# Altium PCB CRD25DA12N-FMC V2 (09-2024).PcbDoc (part 5 of 6)
Units mil, origin at the board's own origin, x right, y up, seen from the top; angles counter-clockwise.
Board outline 8000 x 8000 mil, 6 copper layers (Top Layer, Layer 2, Layer 3, Layer 4, Layer 5, Bottom Layer), stack 91 mil thick; 602 components, 333 nets, 1670 pads, 639 vias.
Unrouted connection lines stored in the file: 1.
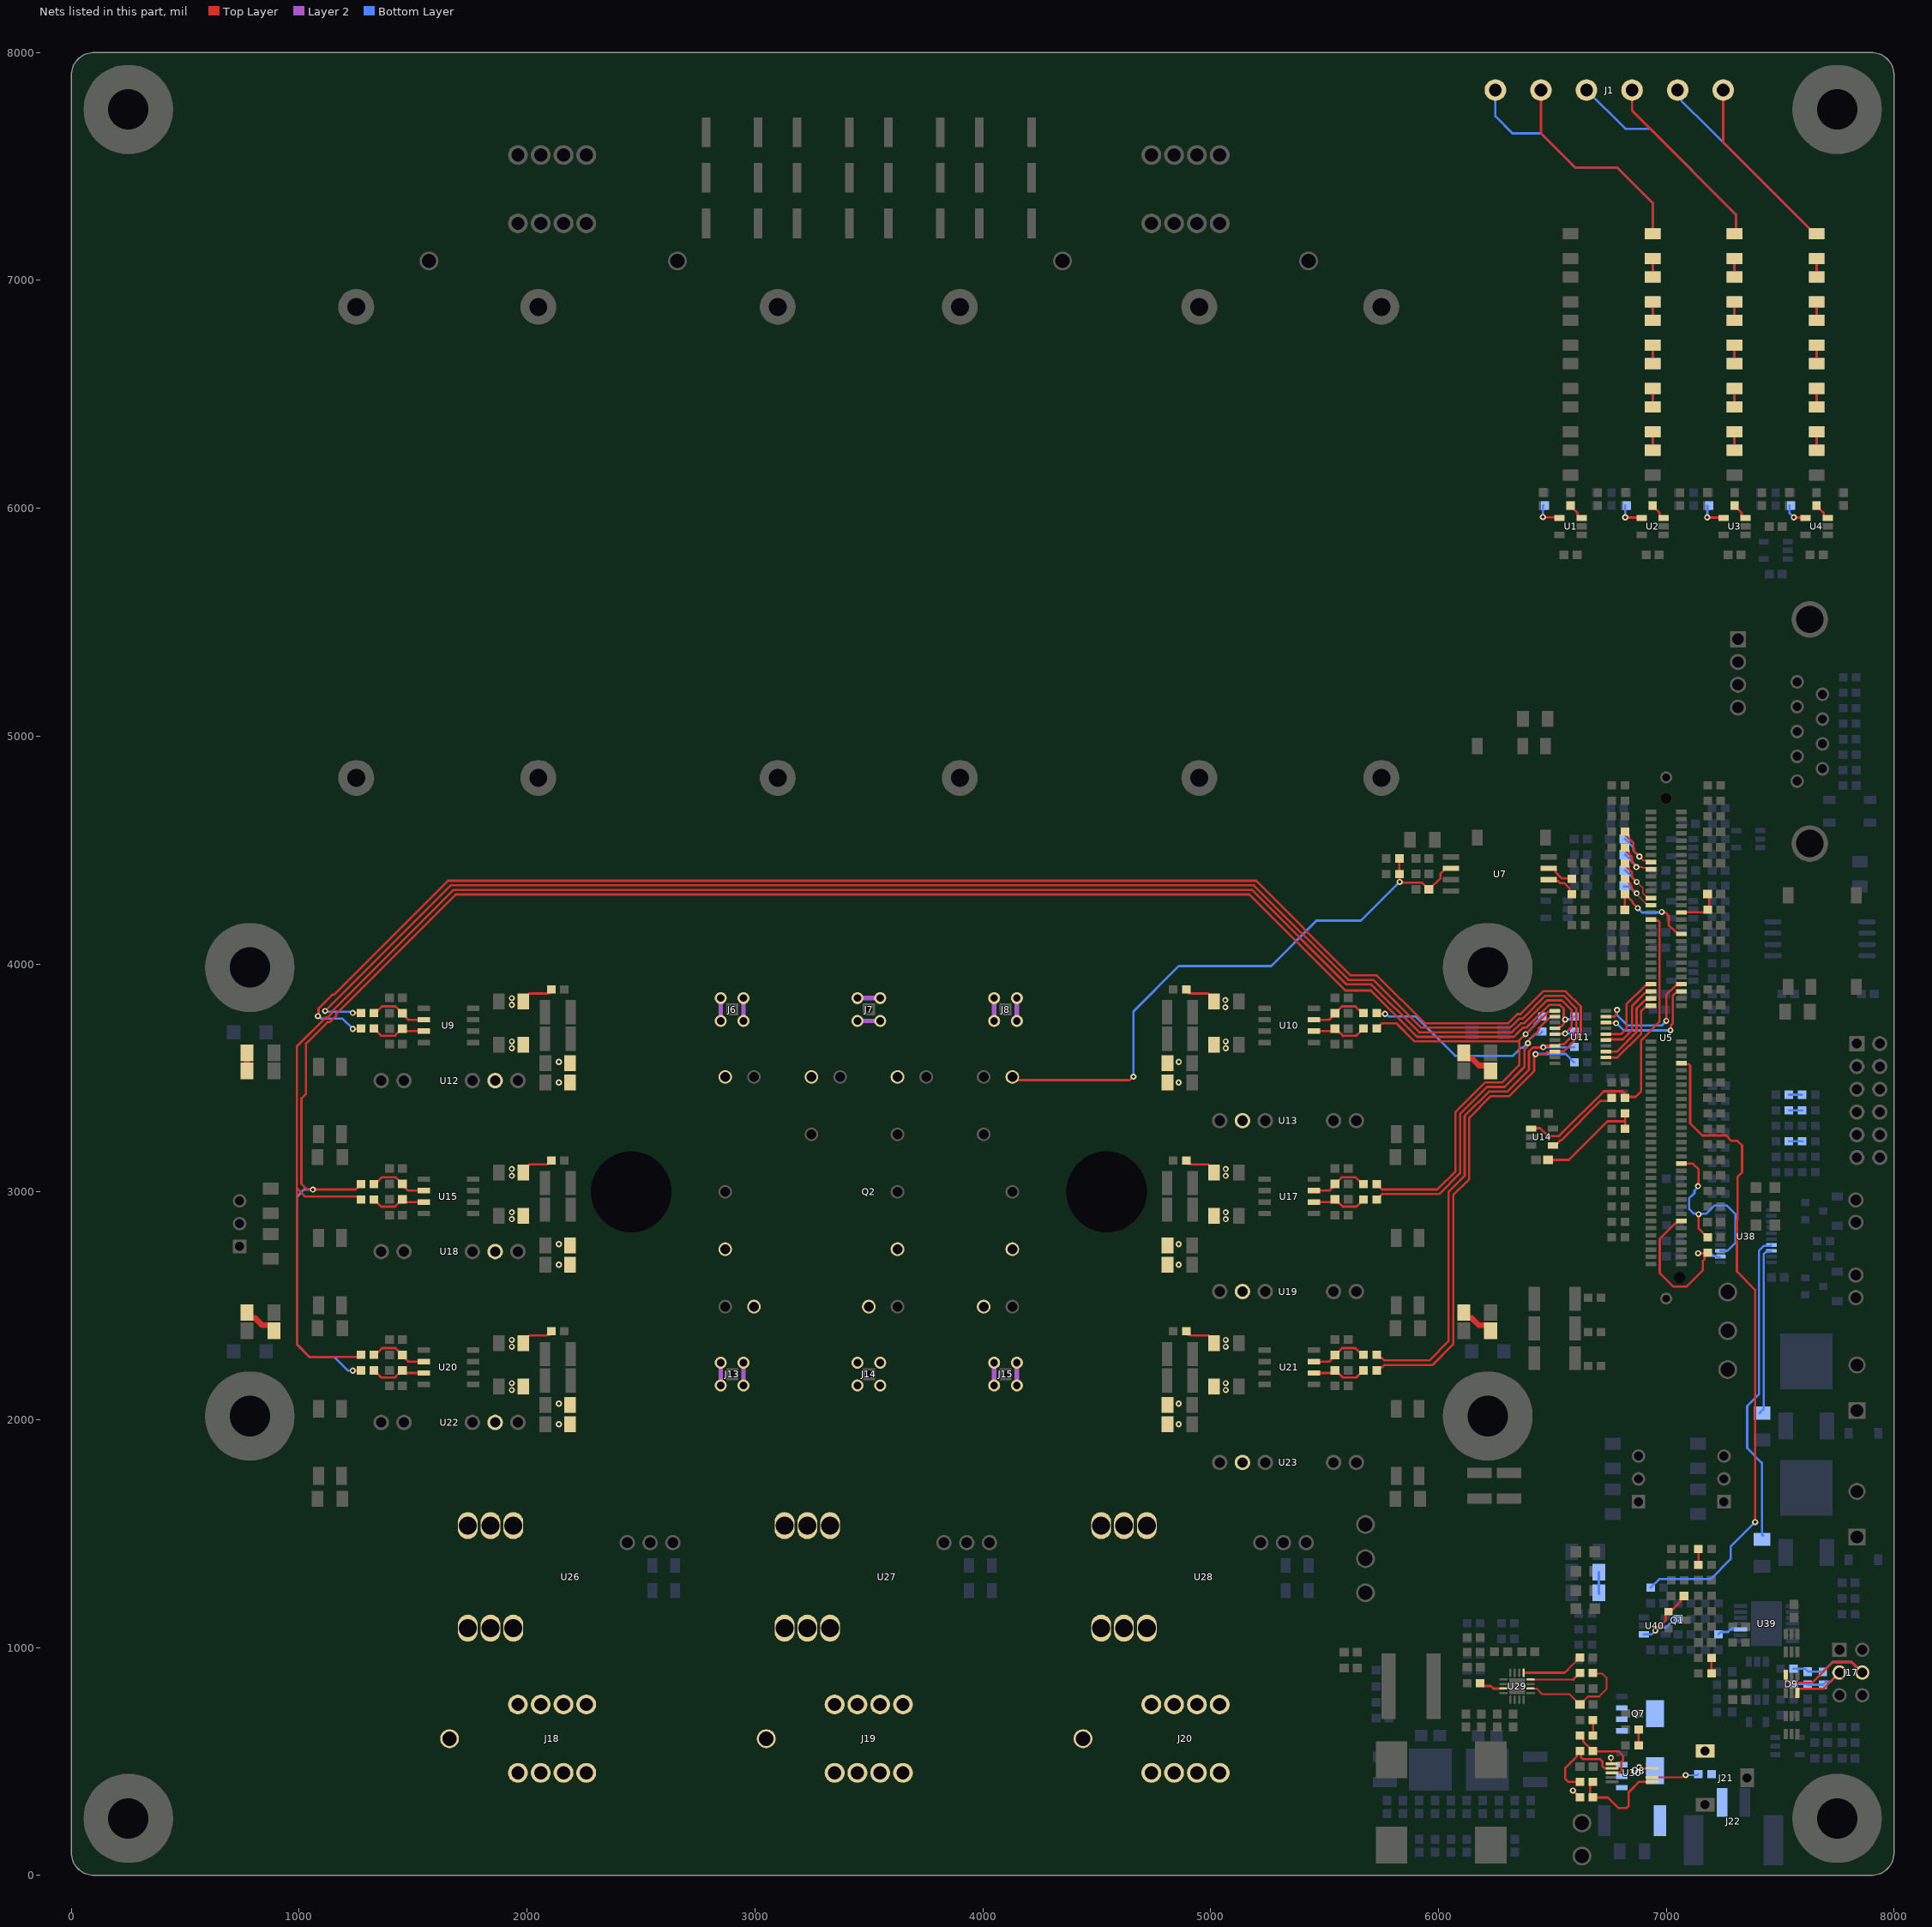
[diagram p9: the nets of this part, all layers, seen from the top]

## Via types
v1: diameter 27, hole 13, Top Layer to Bottom Layer, tented both sides, 543 vias
v2: diameter 50, hole 28, Top Layer to Bottom Layer, tented both sides, 76 vias
v3: diameter 19.68, hole 7.87, Top Layer to Bottom Layer, tented top, 15 vias
v4: diameter 19.68, hole 7.87, Top Layer to Bottom Layer, tented both sides, 5 vias

## Nets (pads, with @x,y where several pads share a name; then routed paths per layer and width w, separated by ;. In a path a pad name is that pad's centre, name@x,y a point inside that pad or via, vN(x,y) a via of type N, cw(c..) or ccw(c..) an arc to the next point about the centre after c; other vN are vias at no path point) (continued)
NetR14_2: R14.2 R18.1 | length 79.8
  Top Layer w10: R18.1@6940,7015.12 R14.2@6940,7094.88
NetR15_2: R15.2 R19.1 | length 79.8
  Top Layer w10: R19.1@7300,7015.12 R15.2@7300,7094.88
NetR16_2: R16.2 R20.1 | length 79.8
  Top Layer w10: R20.1@7660,7015.12 R16.2@7660,7094.88
NetR18_2: R18.2 R22.1 | length 79.8
  Top Layer w10: R22.1@6940,6825.12 R18.2@6940,6904.88
NetR19_2: R19.2 R23.1 | length 79.8
  Top Layer w10: R23.1@7300,6825.12 R19.2@7300,6904.88
NetR20_2: R20.2 R24.1 | length 79.8
  Top Layer w10: R24.1@7660,6825.12 R20.2@7660,6904.88
NetR22_2: R22.2 R26.1 | length 79.8
  Top Layer w10: R26.1@6940,6635.12 R22.2@6940,6714.88
NetR23_2: R23.2 R27.1 | length 79.8
  Top Layer w10: R27.1@7300,6635.12 R23.2@7300,6714.88
NetR24_2: R24.2 R28.1 | length 79.8
  Top Layer w10: R28.1@7660,6635.12 R24.2@7660,6714.88
NetR26_2: R26.2 R30.1 | length 79.8
  Top Layer w10: R30.1@6940,6445.12 R26.2@6940,6524.88
NetR27_2: R27.2 R31.1 | length 79.8
  Top Layer w10: R31.1@7300,6445.12 R27.2@7300,6524.88
NetR28_2: R28.2 R32.1 | length 79.8
  Top Layer w10: R32.1@7660,6445.12 R28.2@7660,6524.88
NetR30_2: R30.2 R34.1 | length 79.8
  Top Layer w10: R34.1@6940,6255.12 R30.2@6940,6334.88
NetR31_2: R31.2 R35.1 | length 79.8
  Top Layer w10: R35.1@7300,6255.12 R31.2@7300,6334.88
NetR32_2: R32.2 R36.1 | length 79.8
  Top Layer w10: R36.1@7660,6255.12 R32.2@7660,6334.88
NetR37_2: R37.2 U1.3 | length 79.1
  Top Layer w10: R37.2@6580,6011.38 6580,6010.47 6610.59,5979.88 6610.59,5966.18 6619.37,5957.4 U1.3@6628.23,5957.4
NetR39_2: R39.2 U2.3 | length 84.1
  Top Layer w10: R39.2@6940,6011.38 6940,6010.47 6970.59,5979.88 6970.59,5961.18 6979.37,5952.4 U2.3@6988.23,5952.4
NetR41_2: R41.2 U3.3 | length 79.1
  Top Layer w10: R41.2@7300,6011.38 7300,6010.47 7330.59,5979.88 7330.59,5966.18 7339.37,5957.4 U3.3@7348.23,5957.4
NetR43_2: R43.2 U4.3 | length 79.1
  Top Layer w10: R43.2@7660,6011.38 7660,6010.47 7690.59,5979.88 7690.59,5966.18 7699.37,5957.4 U4.3@7708.23,5957.4
NetR56_2: R56.2 U7.7 | length 122.2
  Top Layer w10: U7.7@6484.57,4420 6508.19,4420 6515,4413.19 6515,4402.37 6542.37,4375 6580.38,4375 R56.2@6581.38,4374
NetR58_2: R58.2 U7.6 | length 137.2
  Top Layer w10: U7.6@6484.57,4370 6491.38,4363.19 6525.89,4363.19 6534.08,4355 6552.56,4355 6574.96,4332.61 6574.96,4317.42 R58.2@6586.38,4306
NetR77_1: R77.1 R80.2 | length 81.7
  Top Layer w25: R80.2@770.9,3530 770.9,3605.9 R77.1@775,3610
NetR78_1: R78.1 R81.2 | length 158.9
  Top Layer w25: R78.1@6110.9,3610 6110.9,3602.08 6127.05,3585.92 6146.37,3585.92 6178.22,3554.08 6212.95,3554.08 6225,3542.03 R81.2@6225,3530
NetR85_2: R85.2 U14.4 | length 335.2
  Top Layer w10: U14.4@6512.09,3204.6 6514.09,3204.6 6534.49,3225 6538.28,3225 6712.33,3399.04 6748.42,3399.04 R85.2@6761.38,3412
NetR86_1: R86.1 R88.1 R91.1 | length 477.1
  Top Layer w10: R91.1@6481.62,3140 6573.01,3140 6742.32,3309.31 6820,3309.31 ; R86.1@6818.62,3344 6820,3342.62 6820,3309.31 ; R88.1@6820,3276 6820,3309.31
NetR115_2: R115.2 R118.1 | length 163.1
  Top Layer w25: R115.2@770.9,2470 770.9,2462.08 787.05,2445.92 806.37,2445.92 838.22,2414.08 872.95,2414.08 895,2392.03 R118.1@895,2390
NetR116_1: R116.1 R119.2 | length 159.8
  Top Layer w25: R116.1@6110.9,2470 6110.9,2462.08 6127.05,2445.92 6146.37,2445.92 6178.22,2414.08 6215.92,2414.08 R119.2@6235,2395
NetR136_2: R136.2 R137.1 | length 69
  Top Layer w10: R137.1@7141.38,1363 R136.2@7141.38,1432
NetR145_2: R145.2 U29.5 | length 274.5
  Top Layer w8: 6569.74,905.26 6620.47,956 R145.2@6621.38,956
  Top Layer w10: U29.5@6374.53,889.23 6553.71,889.23 6569.74,905.26
NetR146_1: R146.1 R148.2 | length 68
  Top Layer w10: R148.2@7198.62,886 R146.1@7198.62,954
NetR147_1: R147.1 U29.4 | length 228.9
  Top Layer w8: U29.4@6404.23,859.53 6592,859.53
  Top Layer w10: 6592,859.53 6620.47,888 R147.1@6621.38,888
NetR149_2: R149.2 U29.11 | length 112.3
  Top Layer w10: R149.2@6183.62,844 6196.58,831.04 6229.48,831.04 6240.69,819.84 6264.04,819.84 6285.48,819.87 U29.11@6285.77,820.16
NetR150_2: R150.2 R152.1 | length 72.5
  Top Layer w10: R150.2@6675,685 6678.62,681.38 R152.1@6678.62,614
NetR151_2: R151.2 R153.1 | length 70
  Top Layer w10: R153.1@6878.62,570 R151.2@6878.62,640
NetR152_2: R152.2 R154.1 U30.3 | length 348.4
  Top Layer w8: U30.3@6761.17,449.69 6795,449.69
  Top Layer w10: R152.2@6621.38,614 6622.28,614 6635.24,601.04 6635.24,588.48 6677.72,546 R154.1@6678.62,546 6679.94,544.68 6769.2,544.68 6770.38,543.5 6791.81,543.5 6810,525.31 6810,505 6803.1,498.1 6803.1,458.1 6795,450 6795,449.69
NetR154_2: R154.2 R155.1 U30.2 | length 418.9
  Top Layer w8: 6730,469.69 U30.2@6762.91,469.69
  Top Layer w10: R155.1@6621.38,410 6570,410 6556.5,423.5 6556.5,471.5 6580,495 6607.52,522.52 6607.52,533.04 R154.2@6620.47,546 ; R154.2@6621.38,546 R154.2@6620.47,546 ; 6730,469.69 6720,479.69 6720,500 6710,510 6635,510 6626.1,518.9 6626.1,536.38 6626.1,540.38 R154.2@6620.47,546
NetR155_2: R155.2 R156.1 U30.6 | length 442.1
  Top Layer w10: R156.1@6678.62,342 6743,342 6790,295 6825.31,295 6835,304.69 6835,365 6880.63,410.63 U30.6@6937.09,410.63 ; R155.2@6678.62,410 6677.96,410 6665,397.04 6665,354.96 6677.96,342 R156.1@6679.53,342
NetR157_2: R157.2 R161.1 | length 79.8
  Bottom Layer w10: R161.1@7660,7015.12 R157.2@7660,7094.88
NetR158_2: R158.2 R162.1 | length 79.8
  Bottom Layer w10: R162.1@7300,7015.12 R158.2@7300,7094.88
NetR159_2: R159.2 R163.1 | length 79.8
  Bottom Layer w10: R163.1@6940,7015.12 R159.2@6940,7094.88
NetR161_2: R161.2 R165.1 | length 79.8
  Bottom Layer w10: R165.1@7660,6825.12 R161.2@7660,6904.88
NetR162_2: R162.2 R166.1 | length 79.8
  Bottom Layer w10: R166.1@7300,6825.12 R162.2@7300,6904.88
NetR163_2: R163.2 R167.1 | length 79.8
  Bottom Layer w10: R167.1@6940,6825.12 R163.2@6940,6904.88
NetR165_2: R165.2 R169.1 | length 79.8
  Bottom Layer w10: R169.1@7660,6635.12 R165.2@7660,6714.88
NetR166_2: R166.2 R170.1 | length 79.8
  Bottom Layer w10: R170.1@7300,6635.12 R166.2@7300,6714.88
NetR167_2: R167.2 R171.1 | length 79.8
  Bottom Layer w10: R171.1@6940,6635.12 R167.2@6940,6714.88
NetR169_2: R169.2 R173.1 | length 79.8
  Bottom Layer w10: R173.1@7660,6445.12 R169.2@7660,6524.88
NetR170_2: R170.2 R174.1 | length 79.8
  Bottom Layer w10: R174.1@7300,6445.12 R170.2@7300,6524.88
NetR171_2: R171.2 R175.1 | length 79.8
  Bottom Layer w10: R175.1@6940,6445.12 R171.2@6940,6524.88
NetR173_2: R173.2 R177.1 | length 79.8
  Bottom Layer w10: R177.1@7660,6255.12 R173.2@7660,6334.88
NetR174_2: R174.2 R178.1 | length 79.8
  Bottom Layer w10: R178.1@7300,6255.12 R174.2@7300,6334.88
NetR175_2: R175.2 R179.1 | length 79.8
  Bottom Layer w10: R179.1@6940,6255.12 R175.2@6940,6334.88
NetR182_2: R182.2 U4.4 | length 112.5
  Top Layer w10: v1(7560,5960) 7561.3,5958.7 7610.47,5958.7 U4.4@7611.77,5957.4
  Bottom Layer w10: R182.2@7540,6011.38 7540,5980 v1(7560,5960)
NetR185_2: R185.2 U3.4 | length 124.2
  Top Layer w10: v1(7180,5960) 7181.3,5958.7 7250.47,5958.7 U3.4@7251.77,5957.4
  Bottom Layer w10: v1(7180,5960) R185.2@7180,6011.38
NetR188_2: R188.2 U2.4 | length 124.2
  Top Layer w10: v1(6820,5960) 6821.3,5958.7 6890.47,5958.7 U2.4@6891.77,5957.4
  Bottom Layer w10: v1(6820,5960) R188.2@6820,6011.38
NetR191_2: R191.2 U1.4 | length 125.4
  Top Layer w10: v1(6458.58,5961.42) 6460.59,5959.41 6529.76,5959.41 U1.4@6531.77,5957.4
  Bottom Layer w10: v1(6458.58,5961.42) 6458.58,6009.96 R191.2@6460,6011.38
NetR221_2: R221.2 R222.1 | length 57.8
  Bottom Layer w10: R222.1@7538.62,3426 R221.2@7596.38,3426
NetR224_2: R224.2 R225.1 | length 57.8
  Bottom Layer w10: R225.1@7538.62,3358 R224.2@7596.38,3358
NetR230_2: R230.2 R231.1 | length 62.2
  Bottom Layer w8: R231.1@7538.62,3222 R230.2@7596.38,3222 7598,3222 R230.2@7600,3220
NetR246_1: R246.1 R248.2 | length 95.4
  Bottom Layer w10: R246.1@6704.1,1330 R248.2@6704.1,1240 6704.1,1235.9 R248.2@6705,1235
NetR257_1: R257.1 U39.3 | length 76.6
  Bottom Layer w10: R257.1@7228.62,1058 7238.6,1067.98 7271.26,1067.98 7286.55,1083.27 7294.76,1083.27
NetR275_1: R275.1 U30.7 | length 210.4
  Top Layer w8: U30.7@6937.09,430.32 7070.17,430.32 7079.86,440 v1(7085,440)
  Bottom Layer w8: v1(7085,440) 7136.38,440 R275.1@7141.38,445
NTC1: C18.1 Q2.NTC2 R53.1 R55.2 U7.2 | length 2627.4
  Top Layer w10: Q2.NTC2@4129.92,3503.94 4143.45,3503.94 4157.39,3490 4645.4,3490 4660.4,3505 v1(4661.5,3505) ; R53.1@5828.62,4463 R55.2@5828.62,4395 5830,4393.62 v1(5830,4360) 5833.14,4356.86 5927.76,4356.86 5957.63,4327 C18.1@5958.58,4327 5959.53,4327 6009,4376.47 6009,4397.19 6031.81,4420 U7.2@6055.43,4420
  Bottom Layer w10: v1(4661.5,3505) 4661.5,3791.5 4860.75,3990.75 5265.75,3990.75 5465,4190 5660,4190 v1(5830,4360)
NTC_ISO: C21.1 R59.2 U5.36 | length 414.7
  Top Layer w10: C21.1@6818.58,4240 R59.2@6818.62,4306 R59.2@6818.62,4306 6819.53,4306 6854.08,4271.45 6854.08,4265.92 v1(6875,4245) ; v1(6980.19,4228.29) 6984.79,4228.29 6988.08,4225 6997.19,4225 7011.1,4211.09 7011.1,4170 7038.75,4142.35 7042.5,4142.35 7053.15,4131.69 U5.36@7066.93,4131.69
  Bottom Layer w10: v1(6875,4245) 6893.91,4226.09 v1@6980.19,4226.09
RELAY1: R244.1 U38.17 | length 1364.6
  Bottom Layer w10: R244.1@7425,1490 7420,1495 7420,1810 7355,1875 7355,2060 7407.58,2112.58 7407.58,2742.42 7428.03,2762.87 7456.69,2762.87 U38.17@7459.41,2765.59
RELAY1_OUT: R111.2 U5.92 U38.3 | length 847.1
  Top Layer w10: U5.92@7066.93,3123.82 7116.18,3123.82 7141.99,3098.01 7141.99,3027.86 v1(7139.23,3025.1) ; v1(7142.17,2901.43) 7141.81,2901.06 7141.81,2838.67 7180.47,2800 R111.2@7181.38,2800
  Bottom Layer w10: v1(7139.23,3025.1) 7139.23,3020.5 7123.63,3004.91 7123.63,2993.33 7121.81,2991.5 7120.99,2991.5 7099.95,2970.46 7099.95,2924.75 7120.02,2904.68 7138.92,2904.68 v1(7142.17,2901.43) ; v1@7142.17,2900 7146.1,2903.93 7175.67,2903.93 7211.9,2940.16 7264.84,2940.16 7304.04,2900.96 7304.04,2777.07 7267.99,2741.02 U38.3@7237.8,2741.02
RELAY2: R243.1 U38.18 | length 742.2
  Bottom Layer w10: R243.1@7410,2029.1 7427.58,2046.69 7427.58,2726.71 7435.18,2734.31 7439.74,2734.31 7443.58,2738.15 7457.56,2738.15 U38.18@7459.41,2740
RELAY2_OUT: R112.2 U5.108 U38.2 | length 744.3
  Top Layer w10: U5.108@7066.93,2871.85 7053.15,2871.85 7042.5,2861.2 7038.75,2861.2 6971.5,2793.95 6971.5,2643.5 7031.18,2583.82 7088.82,2583.82 7160,2655 7160,2695.31 7167.52,2702.82 7167.52,2719.04 R112.2@7178.47,2730 ; v1(7140,2730) R112.2@7178.47,2730 ; R112.2@7179.38,2730 R112.2@7178.47,2730
  Bottom Layer w10: v1(7140,2730) 7194.6,2730 7206.29,2718.31 7219.17,2718.31 7223.07,2714.41 U38.2@7235,2714.41
RSLV_PWM: R247.1 U5.64 | length 2869.7
  Top Layer w10: U5.64@7066.93,3564.76 7071.69,3560 7098.75,3560 7105,3553.75 7105,3300.01 7157.96,3247.04 7262.96,3247.04 7286.5,3223.5 7312.79,3223.5 7332.57,3203.72 7332.57,3085.27 7313.5,3066.21 7313.5,2877.28 7310,2873.78 7310,2650 7390,2570 v1(7390,1550)
  Bottom Layer w10: R247.1@6931.38,1263 6932.28,1263 6969.17,1299.89 7194.89,1299.89 7282.19,1387.19 7282.19,1442.19 v1(7390,1550)
RSLV_PWM_FILT: C91.1 Q1.1 R253.2 U40.1 | length 383.9
  Top Layer w10: v1(6952.26,1074.16) 6997.91,1119.81 6997.91,1146.65 7008.66,1157.4 Q1.1@7010.63,1157.4 ; Q1.1@7015.63,1157.4 7017.6,1157.4 7063.76,1203.57 7063.76,1213.14 7077.63,1227 C91.1@7078.58,1227
  Bottom Layer w10: U40.1@6901.77,1057.6 6935.7,1057.6 v1(6952.26,1074.16) 6956.86,1074.16 6970.8,1088.1 7000.44,1088.1 7019.3,1106.96 7031.43,1106.96 7050.47,1126 R253.2@7051.38,1126
S1: C51.1 C59.2 C65.1 C67.2 J6.2 J6.3 J6.4 J6.5 Q2.S1 R94.1 U18.6 | length 346.1
  Top Layer w10: C51.1@1984.19,3085 1984.19,3093.91 2010.28,3120 2087.47,3120 2097.47,3130 R94.1@2106.38,3130
  Layer 2 w20: J6.4@2850,3750 J6.2@2850,3850 ; J6.5@2950,3750 J6.3@2950,3850
  other v1: 2140,2680 2140,2770 1933.37,2880 1933.37,2910 1933.37,3070 1933.37,3100
S2: C73.1 C79.2 C83.1 C85.2 J13.2 J13.3 J13.4 J13.5 Q2.S2 R120.1 U22.6 | length 346.1
  Top Layer w10: C73.1@1984.19,2335 1984.19,2343.91 2010.28,2370 2086.66,2370 2088.7,2372.04 2098.42,2372.04 R120.1@2106.38,2380
  Layer 2 w20: J13.4@2850,2150 J13.2@2850,2250 ; J13.5@2950,2150 J13.3@2950,2250
  other v1: 2140,1980 2140,2070 1933.37,2130 1933.37,2160 1933.37,2320 1933.37,2350
S3: C28.1 C36.2 C40.1 C42.2 J7.2 J7.3 J7.4 J7.5 Q2.S3 R64.1 U12.6 | length 346.1
  Top Layer w10: C28.1@1984.19,3835 1984.19,3843.91 2010.28,3870 2086.66,3870 2088.7,3872.04 2098.42,3872.04 R64.1@2106.38,3880
  Layer 2 w20: J7.4@3450,3750 J7.5@3550,3750 ; J7.2@3450,3850 J7.3@3550,3850
  other v1: 2140,3480 2140,3570 1933.37,3630 1933.37,3660 1933.37,3820 1933.37,3850
S4: C74.2 C80.1 C84.1 C86.2 J14.2 J14.3 J14.4 J14.5 Q2.S4 R121.1 U23.6 | length 146.1
  Top Layer w10: R121.1@4893.62,2380 4901.58,2372.04 4911.3,2372.04 4913.34,2370 4989.72,2370 5015.81,2343.91 C74.2@5015.81,2335
  other v1: 4860,1980 4860,2070 5066.63,2130 5066.63,2160 5066.63,2320 5066.63,2350
S5: C29.2 C37.1 C41.1 C43.2 J8.2 J8.3 J8.4 J8.5 Q2.S5 R65.1 U13.6 | length 346.1
  Top Layer w10: R65.1@4893.62,3880 4901.58,3872.04 4911.3,3872.04 4913.34,3870 4989.72,3870 5015.81,3843.91 C29.2@5015.81,3835
  Layer 2 w20: J8.4@4050,3750 J8.2@4050,3850 ; J8.5@4150,3750 J8.3@4150,3850
  other v1: 4860,3480 4860.39,3569.95 5066.63,3630 5066.63,3660 5065,3810 5065,3841.5
S6: C52.2 C60.1 C66.1 C68.2 J15.2 J15.3 J15.4 J15.5 Q2.S6 R95.1 U19.6 | length 346.1
  Top Layer w10: R95.1@4893.62,3130 4901.58,3122.04 4911.3,3122.04 4913.34,3120 4989.72,3120 5015.81,3093.91 C52.2@5015.81,3085
  Layer 2 w20: J15.4@4050,2150 J15.2@4050,2250 ; J15.5@4150,2150 J15.3@4150,2250
  other v1: 4860,2680 4860,2770 5066.63,2880 5066.63,2910 5066.63,3070 5066.63,3100
SIN: C19.1 R60.2 U5.30 | length 184.6
  Top Layer w10: U5.30@7066.93,4226.18 7171.56,4226.18 R60.2@7181.38,4236 ; R60.2@7187.44,4240 7188.72,4241.28 7188.72,4303.72 C19.1@7190,4305
SIN_N: C173.2 D9.6 J17.4 R264.1 R265.1 | length 767.9
  Top Layer w10: D9.6@7524.41,879.37 7528.27,875.51 7528.27,854.05 7536.59,845.73 7640.73,845.73 7731.5,936.5 7813.5,936.5 J17.4@7860,890
  Bottom Layer w10: R264.1@7558.62,907 7609.53,907 C173.2@7622,894.53 ; C173.2@7622,893.58 7689.96,893.58 R265.1@7689.96,896.48 ; R265.1@7688,893.62 7688,894.53 R265.1@7689.96,896.48 ; J17.4@7860,890 7813.5,936.5 7729.97,936.5 R265.1@7689.96,896.48
SIN_P: C173.1 D9.3 J17.3 R265.2 R267.1 | length 454.7
  Top Layer w10: D9.3@7575.59,800.63 7575.59,814.41 7579.45,818.27 7688.27,818.27 J17.3@7760,890
  Bottom Layer w10: R267.1@7558.62,839 7619.42,839 7622,836.42 R265.2@7688,836.38 7688,837.28 7700.96,850.24 7720.24,850.24 J17.3@7760,890
T_AMB: R85.1 U5.31 U14.1 | length 1431.3
  Top Layer w10: U14.1@6406.77,3279.4 6445.6,3279.4 6480,3245 6530,3245 6725.96,3440.96 6809.04,3440.96 6815,3435 6815,3415.62 R85.1@6818.62,3412 6823.39,3416.76 6865.74,3416.76 6890,3441.02 6890,3665.2 6970,3745.2 6970,4183.75 6963.75,4190 6937.76,4190 U5.31@6933.07,4194.68
U: Q2.U U26.4 U26.5 U26.6
U_HS: R99.1 R129.1 R214.2 U11.14 | length 8252.6
  Top Layer w10: v1(1235,2215) 1270.38,2215 R129.1@1271.38,2216 ; R99.1@1271.38,3034 1270.47,3034 1257.52,3021.04 1257.52,3020.14 1247.38,3010 v1(1060,3010) 1035,3010 1010,3035 1010,3410 1030,3430 1030,3650 1124.69,3744.69 1133.59,3744.69 1162,3773.11 1162,3780.43 1686.57,4305 5170,4305 5591.64,3883.36 5703.36,3883.36 5906.72,3680 6331.11,3680 6355.11,3704 6371.11,3720 6385.17,3720 6485.17,3820 6533.43,3820 6550,3803.43 v1@6550,3755 ; U11.14@6510.59,3717.36 6526.34,3717.36 6533.06,3724.08 6537.62,3724.08 6550,3736.46 v1@6550,3755 ; v1(6556.77,3755.76) 6550.76,3755.76 v1@6550,3755
  Bottom Layer w10: v1(1060,3010) 1021.65,3010 990,2978.35 990,2330 1045,2275 1155,2275 1215,2215 v1(1235,2215) ; v1(6556.77,3755.76) 6558.05,3757.04 6583.42,3757.04 R214.2@6596.38,3770
U_HS+_FILT: C54.1 R99.2 U15.2 | length 256.7
  Top Layer w10: R99.2@1328.62,3034 1341.58,3046.96 1346.96,3046.96 1363.86,3063.86 1422.76,3063.86 1438.76,3047.86 1449.53,3037.1 1449.53,3034 1478.53,3005 U15.2@1546.73,3005
U_HS-_FILT: C77.1 R129.2 U20.3 | length 258
  Top Layer w10: R129.2@1328.62,2216 1329.53,2216 1342.48,2203.04 1342.48,2202.52 1360,2185 1420,2185 1437.14,2202.14 1447.14,2202.14 1453.58,2208.58 C77.1@1453.58,2216 ; C77.1@1448.58,2216 1454.79,2209.79 1459.58,2205 U20.3@1546.73,2205
U_HS_PWM: U5.49 U11.6 | length 353.2
  Top Layer w10: U11.6@6735,3691.77 6801.77,3691.77 6825,3715 6825,3822.63 6906.98,3904.61 6930.16,3904.61 U5.49@6935,3909.45
U_LS: R103.1 R126.1 R216.2 U11.15 | length 8340.8
  Top Layer w10: R126.1@1271.38,2284 1262.38,2275 1045,2275 990,2330 990,3015 ; R103.1@1271.38,2966 1258.42,2978.96 1026.04,2978.96 990,3015 ; U11.15@6510.59,3691.77 6512.2,3693.39 6554.37,3693.39 6585.27,3724.28 6585.27,3796.45 6541.72,3840 6476.89,3840 6376.89,3740 6362.82,3740 6322.82,3700 5915,3700 5705,3910 5596.72,3910 5181.72,4325 1678.28,4325 1142,3788.72 1142,3781.39 1125.31,3764.69 1116.41,3764.69 990,3638.28 990,3015
  Bottom Layer w10: v1(6555.98,3695) 6588.38,3695 R216.2@6596.38,3703
U_LS+_FILT: C75.1 R126.2 U20.2 | length 256.7
  Top Layer w10: R126.2@1328.62,2284 1341.58,2296.96 1346.96,2296.96 1363.86,2313.86 1422.76,2313.86 1438.76,2297.86 1449.53,2287.1 1449.53,2284 1478.53,2255 U20.2@1546.73,2255
U_LS-_FILT: C57.1 R103.2 U15.3 | length 258
  Top Layer w10: R103.2@1328.62,2966 1329.53,2966 1342.48,2953.04 1342.48,2952.52 1360,2935 1420,2935 1437.14,2952.14 1447.14,2952.14 1453.58,2958.58 C57.1@1453.58,2966 ; C57.1@1448.58,2966 1454.79,2959.79 1459.58,2955 U15.3@1546.73,2955
U_LS_PWM: U5.51 U11.5 | length 349.9
  Top Layer w10: U11.5@6735,3666.18 6737.72,3668.9 6808.84,3668.9 6850,3710.05 6850,3816.13 6906.98,3873.11 6930.16,3873.11 U5.51@6935,3877.95
U_OUT: J18.1 J18.2 J18.3 J18.4 J18.5 J18.6 J18.7 J18.8 TP11.1 U26.1 U26.2 U26.3
V: Q2.V U27.4 U27.5 U27.6
V_HS: R69.1 R127.1 R218.2 U11.17 | length 8531.2
  Top Layer w10: v1(1113.5,3793.19) 1665.31,4345 5190,4345 5605,3930 5715,3930 5925,3720 6314.54,3720 6354.54,3760 6368.6,3760 6468.6,3860 6550,3860 6605.27,3804.73 6605.27,3700.27 6552.31,3647.31 6533.06,3647.31 6526.34,3640.59 U11.17@6510.59,3640.59 6470.19,3640.59 6464.6,3635 v1@6460,3635 ; v1(1235,3785) 1270.38,3785 R69.1@1271.38,3784 ; R127.1@5728.62,2284 5741.58,2271.04 5751.58,2271.04 5762.62,2260 5960,2260 6045,2345 6045,3000 6115,3070 6115,3333.43 6221.57,3440 6301.72,3440 6397.35,3535.64 6397.35,3615.78 6414.9,3633.33 6458.6,3633.33 v1(6459.74,3634.47)
  Bottom Layer w10: v1(1113.5,3793.19) 1116.69,3790 1220.64,3790 1222.39,3788.25 1231.75,3788.25 v1(1235,3785) ; v1(6459.74,3634.47) 6594.85,3634.47 R218.2@6596.38,3636
V_HS+_FILT: C32.1 R69.2 U9.2 | length 256.7
  Top Layer w10: R69.2@1328.62,3784 1341.58,3796.96 1346.96,3796.96 1363.86,3813.86 1422.76,3813.86 1438.76,3797.86 1449.53,3787.1 1449.53,3784 1478.53,3755 U9.2@1546.73,3755
V_HS-_FILT: C76.1 R127.2 U21.3 | length 256.7
  Top Layer w10: U21.3@5453.27,2255 5521.47,2255 5550.47,2284 5550.47,2287.1 5561.24,2297.86 5577.24,2313.86 5636.14,2313.86 5653.04,2296.96 5658.42,2296.96 R127.2@5671.38,2284
V_HS_PWM: U5.53 U11.3 | length 356.1
  Top Layer w10: U11.3@6735,3615 6783.23,3615 6870,3701.77 6870,3804.64 6906.98,3841.61 6930.16,3841.61 U5.53@6935,3846.46
V_LS: R72.1 R130.1 R219.2 U11.18 | length 8761.6
  Top Layer w10: v1(1082.04,3770.63) 1085,3773.59 1085,3805 1145,3865 1152.66,3865 1652.66,4365 5200,4365 5615,3950 5730,3950 5940,3740 6306.26,3740 6346.26,3780 6360.32,3780 6460.32,3880 6558.28,3880 6625.27,3813.02 6625.27,3691.98 6549.21,3615.93 6511.52,3615.93 6507.72,3612.13 6477.43,3612.13 6469.28,3603.98 v1@6426.71,3603.98 ; v1(1235,3715) 1270.38,3715 R72.1@1271.38,3716 ; R130.1@5728.62,2216 5741.58,2228.96 5751.58,2228.96 5762.62,2240 5975,2240 6065,2330 6065,2985 6135,3055 6135,3325.15 6229.85,3420 6310,3420 6420,3530 6420,3589.62 6422.6,3592.22 6422.6,3600.73 v1(6425.85,3603.98)